# Altium PCB novena_evt1_a.PcbDoc (part 2 of 12) (continued)
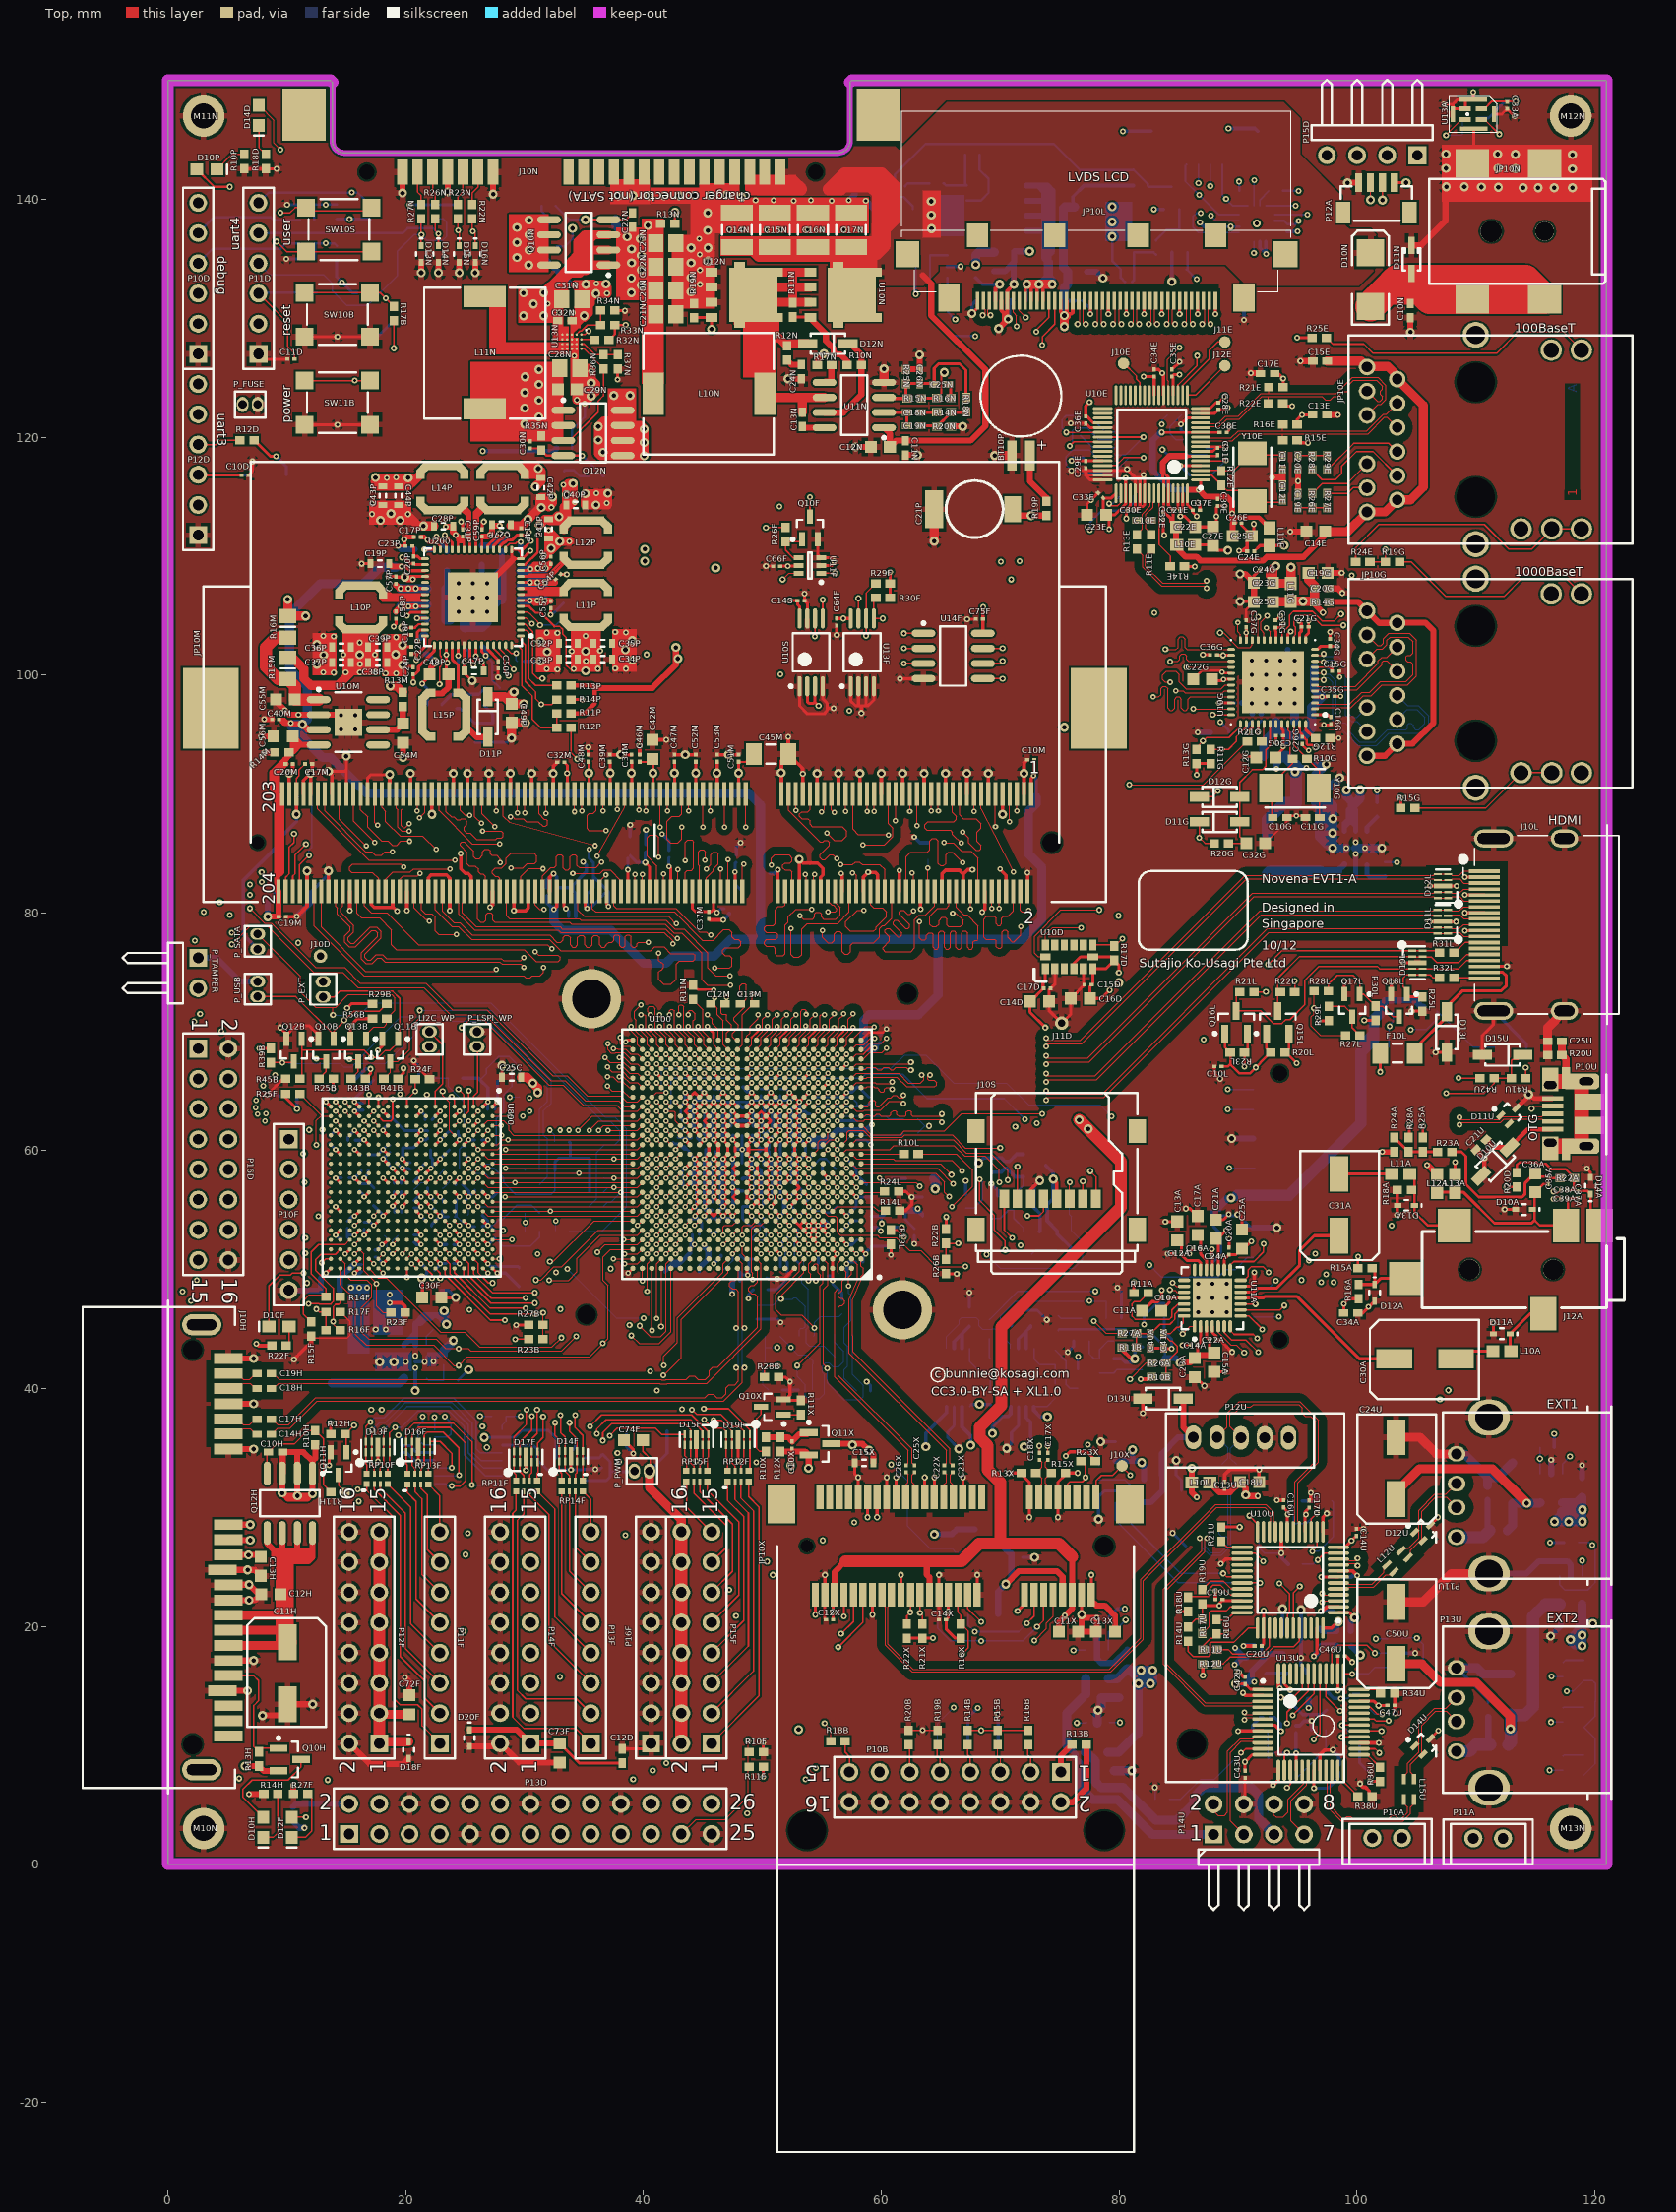
[diagram p0: Top view]
## Components (designator, comment, footprint, x,y, rotation, side; value= is the part's Value field where it differs from the comment) (continued)
R36N "100k, 1%" RESC1005N 36.625,126.325 r90 top
R36U "10k, 1%" RESC1005N 101.95,7.55 r270 top
R37B "4.7k, 1%" RESC1005N 36.05,55.35 r180 bottom
R37N "31.6k, 1%" RESC1005N 37.825,126.325 r90 top
R37U "680, 1%" RESC1005N 83.625,5.45 r0 bottom
R38B "4.7k, 1%" RESC1005N 33.15,53.2 r0 bottom
R38N "330, 1%" RESC1005N 36.025,116.7 r180 bottom
R38U "10k, 1%" RESC1005N 100.7,5.7 r0 top
R39B "10k, 1%" RESC1005N 8.65,68 r270 top
R39U "10k, 1%" RESC1005N 79.1,20.15 r270 bottom
R40B "4.7k, 1%" RESC1005N 30.65,57.15 r0 bottom
R40U "10k, 1%" RESC1005N 100.25,10.525 r90 bottom
R41B "10k, 1%" RESC1005N 18.75,66.05 r180 top
R41U "100, 1% (DNP)" RESC1005N 113.6,66.1 r0 top
R42B "4.7k, 1%" RESC1005N 27.6,59.775 r90 bottom
R42U "100k, 1%" RESC1005N 110.95,66.1 r180 top
R43B "10k, 1%" RESC1005N 16,66.05 r180 top
R44B "4.7k, 1%" RESC1005N 30.65,58.35 r0 bottom
R45B "10k, 1%" RESC1005N 10.5,66.05 r180 top
R46B "10k, 1%" RESC1005N 33.15,58.35 r180 bottom
R47B "10k, 1%" RESC1005N 30.65,54.75 r0 bottom
R48B "10k, 1%" RESC1005N 36.05,56.55 r180 bottom
R49B "10k, 1%" RESC1005N 22.45,56.8 r180 bottom
R50B "10k, 1%" RESC1005N 23.925,58.5 r0 bottom
R51B "10k, 1%" RESC1005N 36.05,59.35 r180 bottom
R52B "10k, 1%" RESC1005N 33.15,60.75 r0 bottom
R53B "10k, 1%" RESC1005N 25.825,54.575 r0 bottom
R54B "10k, 1%" RESC1005N 27.65,57.7 r0 bottom
R55B "10k, 1%" RESC1005N 36.05,57.75 r180 bottom
R56B "10k, 1%" RESC1005N 17.8,71.1 r180 top
R57B "100, 1%" RESC1005N 18.775,52.9 r180 bottom
RP10F "220/RP" PANASONIC_EXB28V 16.85,31.95 r0 top
RP11F "22/RP" PANASONIC_EXB28V 30.925,32.25 r180 top
RP12F "220/RP" PANASONIC_EXB28V 47.2,32.175 r0 top
RP13F "220/RP" PANASONIC_EXB28V 20.275,31.925 r0 top
RP14F "22/RP" PANASONIC_EXB28V 34.763,32.25 r180 top
RP15F "220/RP" PANASONIC_EXB28V 43.725,32.175 r0 top
SW10B "TS-1187A, Chi Fung" SWITCH_TS-1187A 11.5,128.45 r90 top
SW10S "TS-1187A, Chi Fung" SWITCH_TS-1187A 11.625,135.6 r90 top
SW11B "TS-1187A, Chi Fung (DNP)" SWITCH_TS-1187A 11.5,121.05 r90 top
U10A "NSIWAY NS4890" MSOP8 70.883,43.374 r270 bottom
U10D "MMA7455L" FREESCALE_LGA14_3mm_5mm 73.8,75.3 r0 top
U10E "AX88772B" TSQFP40P900X900-64N 82.75,119.404 r180 top
U10F "LMR10510YSD" SON95P300X300X80-7V 20.8,42.25 r90 bottom
U10G "KSZ9021RN" MICREL_QFN48_EP 92.95,99.4 r180 top
U10L "RT9706" SOT23-5AN 66.75,134.35 r0 bottom
U10M "RT9045GSP" SOIC127P600_HS-8N 15.175,96.025 r0 top
U10N "NTMFS4841NT1G" ONSEMI_DFN5_5x6_1.27P 56.825,131.975 r90 top
U10S "24LC32A-I/ST" TSOP65P640-8AN 54.1,101.9 r90 top
U10U "GL852GC-MNG" SQFP50P900X900-48N 94.4,23.9 r180 top
U10X "SIM socket MOLEX 47308-0001" MOLEX_SIM_47308-001 74.48,9.825 r180 bottom
U11A "Everest ES8328E" QFN50P500X500-28V1N 87.85,47.6 r90 top
U11D "STMPE610" QFN50P300X300-16V2N 91.6,137.95 r270 bottom
U11E "93C66 (DNP)" TSOP65P640-8AN 82.55,119.45 r0 bottom
U11F "74AUP1T97GW" SOT363-6N 54,109.2 r180 top
U11G "LMR10510YSD" SON95P300X300X80-7V 99.9,85.45 r90 bottom
U11N "NCP3020B" SOIC127P600-8AN 57.725,122.7 r180 top
U11U "RT9711BGB" SOT23-5AN 116.35,31.6 r270 bottom
U12A "NSIWAY NS4890" MSOP8 65.483,43.374 r270 bottom
U12F "ADC108S022" SOP65P640-16N 25.275,34.275 r180 bottom
U12N "NTMFS4935NT1G" ONSEMI_DFN5_5x6_1.27P 48.525,131.975 r90 top
U12U "RT9706" SOT23-5AN 80.9,31.375 r0 bottom
U13A "MP34DT01" STM_HCLGA_3MMx4MMx1MM 109.8,147.15 r90 top
U13F "24LC32A-I/ST" TSOP65P640-8AN 58.4,101.9 r90 top
U13N "FAN53540UCX" FAIRCHILD_WLCSP_BGA100P9X9-81A 33.975,128.025 r270 top
U13U "GL852GC-MNG" SQFP50P900X900-48N 96.15,11.95 r0 top
U14F "MX25L512CMI-12G" SOIC127P600-8AN 66.05,101.6 r0 top
U14U "RT9711BGB" SOT23-5AN 118,23.05 r270 bottom
U15F "LP2980IM5-3.3" SOT23-5AN 33.8,33.2 r180 bottom
U15U "RT9706" SOT23-5AN 78.15,16.8 r270 bottom
U16U "RT9706" SOT23-5AN 78.225,10.725 r270 bottom
U100 "iMX6Q - PCIMX6Q5EVT10AC" FREESCALE_BGA624C80P25X25_2100X2100X216 48.7,59.7 r180 top locked
U200 "PMPF0100NPEP" FREESCALE_QFN50P800X800X90-56N 25.65,106.525 r180 top
U800 "XC6SLX9-2CSG324C" CSG324 20.5,56.9 r270 top
Y10B "24.0000 MHz 15ppm 8pF 70 ohm ESR (NDK NX3225SA)" NDK_NX3225SA 54.875,46.05 r180 bottom
Y10E "25.0000 MHz, 30ppm, 20pF, ESR <70 ohm (CTS 445C33E25M00000)" NDK_NX5032A 91.2,118.625 r270 top
Y10G "25.0000 MHz, 30ppm, 20pF, ESR <70 ohm (CTS 445C33E25M00000)" NDK_NX5032A 96.8,90.475 r180 top
Y10U "12.0000 MHz (SaRonix-eCera F9, 30ppm, 8pF)" NDK_NX5032A 98,27.8 r180 bottom
Y11B "Abracon ABS10-32.768KHZ-7-T  7pF CL" ABS10-32.768KHZ 54.15,42 r180 bottom
Y11U "12.0000 MHz (SaRonix-eCera F9, 30ppm, 8pF)" NDK_NX5032A 92.5,8.8 r0 bottom

## Footprints (in the part's own frame and the unit in brackets; to place one, negate y for a bottom-side part, rotate by r counter-clockwise, add the part's x,y. Pads: shape width x height; smd on the part's side, far side on the other; paste and mask are expansions set on the pad)
ABS10-32.768KHZ [mm] "Abracon 32.768 kHz 4.9mm x 1.8mm x 1.0mm crystal"
  rect 1.3x2.2 smd mask+0.07: 1(0,0) 2(4.2,0)
  silkscreen extent 1,-1.2 3.2,1.3, body extent -0.6,-1.1 4.8,1.1, height 1
ALCAP_D [mm]
  rect 3x1.6 smd: 1(2.6,0) 2(-2.6,0)
  silkscreen extent -4.52,-3.25 4.65,3.38, body extent -3.3,-3.3 3.3,3.3, height 5.4
AMP_487951_4 [mm] "4-pin FF connector, 1mm pitch"
  rect 0.61x2 smd: 1(0,0) 2(1,0) 3(2,0) 4(3,0)
  rect 2.68x3.6 smd: MP1(-2.99,-2.8) MP2(5.99,-2.8)
  silkscreen extent -5.5,-8.7 8.5,1.8, body extent -4.46,-5.85 7.46,0.7, height 2.7
AUK_TFC08W01-HC-H [mm] "Micro-SD hinge-lock card (for captive board mount)"
  rect 1.45x2 smd mask+0.07: 0(-6.8,-5.7) 0(-6.8,2.6) 0(6.8,-5.7) 0(6.8,2.6)
  rect 0.8x1.5 smd mask+0.07: 1(-3.3,0) 2(-2.2,0) 3(-1.1,0) 4(0,0) 5(1.1,0) 6(2.2,0) 7(3.3,0) 8(4.4,0)
  silkscreen extent -6.8,-8.9 6.8,6.3, body extent -6.8,-8.9 6.8,5.3, height 1.9
AW_NU137 [mm] "AW NU137 USB wifi card, direct header"
  round 2 hole 2.3 unplated mask+1.3: 0(25.8,-0.09)
  oval 2x1.3 hole 0.9 mask+0.07: 1(0,0) 2(0,2) 3(0.05,4) 4(0.05,6) 5(0.05,8)
  silkscreen extent -2,-2.3 29,12.7, body extent -2,-2.3 29,12.7, height 8.8
CAPC0603N_B [mm] "Chip Capacitor, 2-Leads, Body 0.6x0.3mm, IPC Medium Density"
  rect 0.35x0.3 smd mask+0.07: 1(-0.3,0) 2(0.3,0)
  body extent -0.32,-0.17 0.32,0.17, height 0.33
CAPC1005N [mm] "Chip Capacitor, Body 1.0x0.5mm, IPC Medium Density"
  rect 0.8x0.6 smd: 1(-0.6,0) 2(0.6,0)
  body extent -0.55,-0.3 0.55,0.3, height 0.6
CAPC1608N [mm] "Chip Capacitor, Body 1.6x0.8mm, IPC Medium Density"
  rect 1x1 smd: 1(-0.8,0) 2(0.8,0)
  body extent -0.87,-0.48 0.87,0.48, height 0.85
CAPC1608N_HD [mm] "High density 0603 capacitor footprint (use sparingly)"
  rect 0.5x0.75 smd: 1(-0.8,0) 2(0.8,0)
  silkscreen extent -0.15,-0.28 0.15,0.28, body extent -0.85,-0.45 0.85,0.45, height 0.9
CAPC2012N [mm] "Chip Capacitor, Body 2.0x1.3mm, IPC Medium Density"
  rect 1.3x1.5 smd: 1(-0.85,0) 2(0.85,0)
  body extent -1.1,-0.72 1.1,0.72, height 1.1
CAPC3216N [mm] "Chip Capacitor, Body 3.2x1.6mm, IPC Medium Density"
  rect 1.3x1.8 smd: 1(-1.45,0) 2(1.45,0)
  silkscreen extent -0.4,-0.8 0.4,0.8, body extent -1.7,-0.9 1.7,0.9, height 1.35
CAPC3225N [mm] "Chip Capacitor, Body 3.2x2.5mm, IPC Medium Density"
  rect 1.3x2.7 smd: 1(-1.45,0) 2(1.45,0)
  silkscreen extent -0.4,-1.25 0.4,1.25, body extent -1.7,-1.35 1.7,1.35, height 1.35
CD1608-0603 [mm] "Chip Diode; Body 1.6 x 0.8 mm (LxW typ)"
  rect 1.1x1 smd: 1(-0.85,0) 2(0.85,0)
  silkscreen extent 1.7,-0.4 1.7,0.4
COILCRAFT_LPS4018 [mm] "Coilcraft SMT power inductor, shielded, high current"
  rect 0.7x3.124 smd mask+0.07: 1(-1.85,0) 2(1.85,0)
  rect 0.7x1 smd rot 135 mask+0.07: 1(-1.6,1.6) 2(1.6,-1.6)
  rect 0.7x1 smd rot 45 mask+0.07: 1(-1.6,-1.6) 2(1.6,1.6)
  rect 0.75x0.7 smd mask+0.07: 1(-1.125,1.85) 1(-1.125,-1.85) 2(1.125,1.85) 2(1.125,-1.85)
  body extent -2.05,-2.05 2.05,2.05, height 1.8
COILCRAFT_MSS1048 [mm] "Coilcraft shielded power inductor"
  rect 3.56x1.78 smd mask+0.075: 1(0,0) 2(0,9.4)
  silkscreen extent -5.1,-0.75 5.1,10.25, body extent -5.1,-0.37 5.1,9.93, height 5.05
COILCRAFT_MSS5121 [mm] "Coilcraft shielded power inductor"
  rect 5.08x1.74 smd mask+0.075: 1(0,0) 2(0,-3.34)
  silkscreen extent -2.6,-2.2 2.6,-1.2, body extent -2.6,-4.3 2.6,0.9, height 2.2
CSG324 [mm] "BGA, 324-Leads, Body 15x15mm, Pitch 0.8mm"
  round 0.36 smd: A1(-6.8,6.8) A2(-6,6.8) A3(-5.2,6.8) A4(-4.4,6.8) A5(-3.6,6.8) A6(-2.8,6.8) A7(-2,6.8) A8(-1.2,6.8) A9(-0.4,6.8) A10(0.4,6.8) A11(1.2,6.8) A12(2,6.8) A13(2.8,6.8) A14(3.6,6.8) A15(4.4,6.8) A16(5.2,6.8) A17(6,6.8) A18(6.8,6.8) B1(-6.8,6) B2(-6,6) B3(-5.2,6) B4(-4.4,6) B5(-3.6,6) B6(-2.8,6) B7(-2,6) B8(-1.2,6) B9(-0.4,6) B10(0.4,6) B11(1.2,6) B12(2,6) B13(2.8,6) B14(3.6,6) B15(4.4,6) B16(5.2,6) B17(6,6) B18(6.8,6) C1(-6.8,5.2) C2(-6,5.2) C3(-5.2,5.2) C4(-4.4,5.2) C5(-3.6,5.2) C6(-2.8,5.2) C7(-2,5.2) C8(-1.2,5.2) C9(-0.4,5.2) C10(0.4,5.2) C11(1.2,5.2) C12(2,5.2) C13(2.8,5.2) C14(3.6,5.2) C15(4.4,5.2) C16(5.2,5.2) C17(6,5.2) C18(6.8,5.2) D1(-6.8,4.4) D2(-6,4.4) D3(-5.2,4.4) D4(-4.4,4.4) D5(-3.6,4.4) D6(-2.8,4.4) D7(-2,4.4) D8(-1.2,4.4) D9(-0.4,4.4) D10(0.4,4.4) D11(1.2,4.4) D12(2,4.4) D13(2.8,4.4) D14(3.6,4.4) D15(4.4,4.4) D16(5.2,4.4) D17(6,4.4) D18(6.8,4.4) E1(-6.8,3.6) E2(-6,3.6) E3(-5.2,3.6) E4(-4.4,3.6) E5(-3.6,3.6) E6(-2.8,3.6) E7(-2,3.6) E8(-1.2,3.6) E9(-0.4,3.6) E10(0.4,3.6) E11(1.2,3.6) E12(2,3.6) E13(2.8,3.6) E14(3.6,3.6) E15(4.4,3.6) E16(5.2,3.6) E17(6,3.6) E18(6.8,3.6) F1(-6.8,2.8) F2(-6,2.8) F3(-5.2,2.8) F4(-4.4,2.8) F5(-3.6,2.8) F6(-2.8,2.8) F7(-2,2.8) F8(-1.2,2.8) F9(-0.4,2.8) F10(0.4,2.8) F11(1.2,2.8) F12(2,2.8) F13(2.8,2.8) F14(3.6,2.8) F15(4.4,2.8) F16(5.2,2.8) F17(6,2.8) F18(6.8,2.8) G1(-6.8,2) G2(-6,2) G3(-5.2,2) G4(-4.4,2) G5(-3.6,2) G6(-2.8,2) G7(-2,2) G8(-1.2,2) G9(-0.4,2) G10(0.4,2) G11(1.2,2) G12(2,2) G13(2.8,2) G14(3.6,2) G15(4.4,2) G16(5.2,2) G17(6,2) G18(6.8,2) H1(-6.8,1.2) H2(-6,1.2) H3(-5.2,1.2) H4(-4.4,1.2) H5(-3.6,1.2) H6(-2.8,1.2) H7(-2,1.2) H8(-1.2,1.2) H9(-0.4,1.2) H10(0.4,1.2) H11(1.2,1.2) H12(2,1.2) H13(2.8,1.2) H14(3.6,1.2) H15(4.4,1.2) H16(5.2,1.2) H17(6,1.2) H18(6.8,1.2) J1(-6.8,0.4) J2(-6,0.4) J3(-5.2,0.4) J4(-4.4,0.4) J5(-3.6,0.4) J6(-2.8,0.4) J7(-2,0.4) J8(-1.2,0.4) J9(-0.4,0.4) J10(0.4,0.4) J11(1.2,0.4) J12(2,0.4) J13(2.8,0.4) J14(3.6,0.4) J15(4.4,0.4) J16(5.2,0.4) J17(6,0.4) J18(6.8,0.4) K1(-6.8,-0.4) K2(-6,-0.4) K3(-5.2,-0.4) K4(-4.4,-0.4) K5(-3.6,-0.4) K6(-2.8,-0.4) K7(-2,-0.4) K8(-1.2,-0.4) K9(-0.4,-0.4) K10(0.4,-0.4) K11(1.2,-0.4) K12(2,-0.4) K13(2.8,-0.4) K14(3.6,-0.4) K15(4.4,-0.4) K16(5.2,-0.4) K17(6,-0.4) K18(6.8,-0.4) L1(-6.8,-1.2) L2(-6,-1.2) L3(-5.2,-1.2) L4(-4.4,-1.2) L5(-3.6,-1.2) L6(-2.8,-1.2) L7(-2,-1.2) L8(-1.2,-1.2) L9(-0.4,-1.2) L10(0.4,-1.2) L11(1.2,-1.2) L12(2,-1.2) L13(2.8,-1.2) L14(3.6,-1.2) L15(4.4,-1.2) L16(5.2,-1.2) L17(6,-1.2) L18(6.8,-1.2) M1(-6.8,-2) M2(-6,-2) M3(-5.2,-2) M4(-4.4,-2) M5(-3.6,-2) M6(-2.8,-2) M7(-2,-2) M8(-1.2,-2) M9(-0.4,-2) M10(0.4,-2) M11(1.2,-2) M12(2,-2) M13(2.8,-2) M14(3.6,-2) M15(4.4,-2) M16(5.2,-2) M17(6,-2) M18(6.8,-2) N1(-6.8,-2.8) N2(-6,-2.8) N3(-5.2,-2.8) N4(-4.4,-2.8) N5(-3.6,-2.8) N6(-2.8,-2.8) N7(-2,-2.8) N8(-1.2,-2.8) N9(-0.4,-2.8) N10(0.4,-2.8) N11(1.2,-2.8) N12(2,-2.8) N13(2.8,-2.8) N14(3.6,-2.8) N15(4.4,-2.8) N16(5.2,-2.8) N17(6,-2.8) N18(6.8,-2.8) P1(-6.8,-3.6) P2(-6,-3.6) P3(-5.2,-3.6) P4(-4.4,-3.6) P5(-3.6,-3.6) P6(-2.8,-3.6) P7(-2,-3.6) P8(-1.2,-3.6) P9(-0.4,-3.6) P10(0.4,-3.6) P11(1.2,-3.6) P12(2,-3.6) P13(2.8,-3.6) P14(3.6,-3.6) P15(4.4,-3.6) P16(5.2,-3.6) P17(6,-3.6) P18(6.8,-3.6) R1(-6.8,-4.4) R2(-6,-4.4) R3(-5.2,-4.4) R4(-4.4,-4.4) R5(-3.6,-4.4) R6(-2.8,-4.4) R7(-2,-4.4) R8(-1.2,-4.4) R9(-0.4,-4.4) R10(0.4,-4.4) R11(1.2,-4.4) R12(2,-4.4) R13(2.8,-4.4) R14(3.6,-4.4) R15(4.4,-4.4) R16(5.2,-4.4) R17(6,-4.4) R18(6.8,-4.4) T1(-6.8,-5.2) T2(-6,-5.2) T3(-5.2,-5.2) T4(-4.4,-5.2) T5(-3.6,-5.2) T6(-2.8,-5.2) T7(-2,-5.2) T8(-1.2,-5.2) T9(-0.4,-5.2) T10(0.4,-5.2) T11(1.2,-5.2) T12(2,-5.2) T13(2.8,-5.2) T14(3.6,-5.2) T15(4.4,-5.2) T16(5.2,-5.2) T17(6,-5.2) T18(6.8,-5.2) U1(-6.8,-6) U2(-6,-6) U3(-5.2,-6) U4(-4.4,-6) U5(-3.6,-6) U6(-2.8,-6) U7(-2,-6) U8(-1.2,-6) U9(-0.4,-6) U10(0.4,-6) U11(1.2,-6) U12(2,-6) U13(2.8,-6) U14(3.6,-6) U15(4.4,-6) U16(5.2,-6) U17(6,-6) U18(6.8,-6) V1(-6.8,-6.8) V2(-6,-6.8) V3(-5.2,-6.8) V4(-4.4,-6.8) V5(-3.6,-6.8) V6(-2.8,-6.8) V7(-2,-6.8) V8(-1.2,-6.8) V9(-0.4,-6.8) V10(0.4,-6.8) V11(1.2,-6.8) V12(2,-6.8) V13(2.8,-6.8) V14(3.6,-6.8) V15(4.4,-6.8) V16(5.2,-6.8) V17(6,-6.8) V18(6.8,-6.8)
  silkscreen extent -8.27,-7.5 7.5,7.5, body extent -7.5,-7.5 7.5,7.5, height 1.5
CUI_PJ_002AH_SMT [mm] "SMT 2.1mmx5.5mm ID (P-5) connector"
  round 1.6 hole 1.6 unplated: 0(-4.5,0)
  round 1.8 hole 1.8 unplated: 0(0,0)
  rect 2.8x2.4 smd: 1(-4.5,5.7) 1(1.6,5.7) 2(-4.5,-5.7) 3(1.6,-5.7)
  silkscreen extent -9.6,-4.4 5.2,4.4, body extent -9.5,-6.3 5.3,6.3, height 11.19
CUI_SJ_43515TS-SMT [mm] "stereo audio jack plus video, SMT with switch"
  round 1.7 hole 1.7 unplated: 0(-7,0) 0(0,0)
  rect 2.8x2.8 smd: 1(-8.3,3.7) 2(-12.4,-0.75)
  rect 2.2x2.8 smd: 3(-0.8,-3.7) 4(3.9,3.7) 5(1.1,3.7)
  silkscreen extent -11,-3.2 6,3.2, body extent -13,-4.5 6.2,4.5, height 5.1
DDR3_SODIMM_REV [mm] "TE_2013311_9.2MM_DDR3_SODIMM"
  round 1 hole 1.1 unplated mask+0.07: 0(0,0)
  round 1.5 hole 1.6 unplated: 0(0,-66.8)
  rect 6.8x4.7 smd mask+0.07: 0(11.3,-70.75) 0(11.3,3.95)
  rect 2x0.35 smd mask+0.07: 1(4.1,-65.05) 2(-4.1,-64.75) 3(4.1,-64.45) 4(-4.1,-64.15) 5(4.1,-63.85) 6(-4.1,-63.55) 7(4.1,-63.25) 8(-4.1,-62.95) 9(4.1,-62.65) 10(-4.1,-62.35) 11(4.1,-62.05) 12(-4.1,-61.75) 13(4.1,-61.45) 14(-4.1,-61.15) 15(4.1,-60.85) 16(-4.1,-60.55) 17(4.1,-60.25) 18(-4.1,-59.95) 19(4.1,-59.65) 20(-4.1,-59.35) 21(4.1,-59.05) 22(-4.1,-58.75) 23(4.1,-58.45) 24(-4.1,-58.15) 25(4.1,-57.85) 26(-4.1,-57.55) 27(4.1,-57.25) 28(-4.1,-56.95) 29(4.1,-56.65) 30(-4.1,-56.35) 31(4.1,-56.05) 32(-4.1,-55.75) 33(4.1,-55.45) 34(-4.1,-55.15) 35(4.1,-54.85) 36(-4.1,-54.55) 37(4.1,-54.25) 38(-4.1,-53.95) 39(4.1,-53.65) 40(-4.1,-53.35) 41(4.1,-53.05) 42(-4.1,-52.75) 43(4.1,-52.45) 44(-4.1,-52.15) 45(4.1,-51.85) 46(-4.1,-51.55) 47(4.1,-51.25) 48(-4.1,-50.95) 49(4.1,-50.65) 50(-4.1,-50.35) 51(4.1,-50.05) 52(-4.1,-49.75) 53(4.1,-49.45) 54(-4.1,-49.15) 55(4.1,-48.85) 56(-4.1,-48.55) 57(4.1,-48.25) 58(-4.1,-47.95) 59(4.1,-47.65) 60(-4.1,-47.35) 61(4.1,-47.05) 62(-4.1,-46.75) 63(4.1,-46.45) 64(-4.1,-46.15) 65(4.1,-45.85) 66(-4.1,-45.55) 67(4.1,-45.25) 68(-4.1,-44.95) 69(4.1,-44.65) 70(-4.1,-44.35) 71(4.1,-44.05) 72(-4.1,-43.75) 73(4.1,-41.05) 74(-4.1,-40.75) 75(4.1,-40.45) 76(-4.1,-40.15) 77(4.1,-39.85) 78(-4.1,-39.55) 79(4.1,-39.25) 80(-4.1,-38.95) 81(4.1,-38.65) 82(-4.1,-38.35) 83(4.1,-38.05) 84(-4.1,-37.75) 85(4.1,-37.45) 86(-4.1,-37.15) 87(4.1,-36.85) 88(-4.1,-36.55) 89(4.1,-36.25) 90(-4.1,-35.95) 91(4.1,-35.65) 92(-4.1,-35.35) 93(4.1,-35.05) 94(-4.1,-34.75) 95(4.1,-34.45) 96(-4.1,-34.15) 97(4.1,-33.85) 98(-4.1,-33.55) 99(4.1,-33.25) 100(-4.1,-32.95) 101(4.1,-32.65) 102(-4.1,-32.35) 103(4.1,-32.05) 104(-4.1,-31.75) 105(4.1,-31.45) 106(-4.1,-31.15) 107(4.1,-30.85) 108(-4.1,-30.55) 109(4.1,-30.25) 110(-4.1,-29.95) 111(4.1,-29.65) 112(-4.1,-29.35) 113(4.1,-29.05) 114(-4.1,-28.75) 115(4.1,-28.45) 116(-4.1,-28.15) 117(4.1,-27.85) 118(-4.1,-27.55) 119(4.1,-27.25) 120(-4.1,-26.95) 121(4.1,-26.65) 122(-4.1,-26.35) 123(4.1,-26.05) 124(-4.1,-25.75) 125(4.1,-25.45) 126(-4.1,-25.15) 127(4.1,-24.85) 128(-4.1,-24.55) 129(4.1,-24.25) 130(-4.1,-23.95) 131(4.1,-23.65) 132(-4.1,-23.35) 133(4.1,-23.05) 134(-4.1,-22.75) 135(4.1,-22.45) 136(-4.1,-22.15) 137(4.1,-21.85) 138(-4.1,-21.55) 139(4.1,-21.25) 140(-4.1,-20.95) 141(4.1,-20.65) 142(-4.1,-20.35) 143(4.1,-20.05) 144(-4.1,-19.75) 145(4.1,-19.45) 146(-4.1,-19.15) 147(4.1,-18.85) 148(-4.1,-18.55) 149(4.1,-18.25) 150(-4.1,-17.95) 151(4.1,-17.65) 152(-4.1,-17.35) 153(4.1,-17.05) 154(-4.1,-16.75) 155(4.1,-16.45) 156(-4.1,-16.15) 157(4.1,-15.85) 158(-4.1,-15.55) 159(4.1,-15.25) 160(-4.1,-14.95) 161(4.1,-14.65) 162(-4.1,-14.35) 163(4.1,-14.05) 164(-4.1,-13.75) 165(4.1,-13.45) 166(-4.1,-13.15) 167(4.1,-12.85) 168(-4.1,-12.55) 169(4.1,-12.25) 170(-4.1,-11.95) 171(4.1,-11.65) 172(-4.1,-11.35) 173(4.1,-11.05) 174(-4.1,-10.75) 175(4.1,-10.45) 176(-4.1,-10.15) 177(4.1,-9.85) 178(-4.1,-9.55) 179(4.1,-9.25) 180(-4.1,-8.95) 181(4.1,-8.65) 182(-4.1,-8.35) 183(4.1,-8.05) 184(-4.1,-7.75) 185(4.1,-7.45) 186(-4.1,-7.15) 187(4.1,-6.85) 188(-4.1,-6.55) 189(4.1,-6.25) 190(-4.1,-5.95) 191(4.1,-5.65) 192(-4.1,-5.35) 193(4.1,-5.05) 194(-4.1,-4.75) 195(4.1,-4.45) 196(-4.1,-4.15) 197(4.1,-3.85) 198(-4.1,-3.55) 199(4.1,-3.25) 200(-4.1,-2.95) 201(4.1,-2.65) 202(-4.1,-2.35) 203(4.1,-2.05) 204(-4.1,-1.75)
  silkscreen extent -5,-71.35 32,4.55, body extent -5,-71.35 21.56,4.55, height 9.45
DSO-C2/X2.3 [mm] "DO-214-AA/SMB; 2 C-Bend Leads; Body 5.3 x 3.6 mm, inc. leads (LxW)"
  rect 2.3x2.3 smd: 1(-2.25,0) 2(2.25,0)
  silkscreen extent -3.8,-1.55 4.1,1.55
FAIRCHILD_WLCSP_BGA100P9X9-81A [mm] "20-pin WLCSP 0.4mm pitch 0.25mm ball package"
  round 0.2 smd mask+0.05: A1(-0.6,0.8) A2(-0.2,0.8) A3(0.2,0.8) A4(0.6,0.8) B1(-0.6,0.4) B2(-0.2,0.4) B3(0.2,0.4) B4(0.6,0.4) C1(-0.6,0) C2(-0.2,0) C3(0.2,0) C4(0.6,0) D1(-0.6,-0.4) D2(-0.2,-0.4) D3(0.2,-0.4) D4(0.6,-0.4) E1(-0.6,-0.8) E2(-0.2,-0.8) E3(0.2,-0.8) E4(0.6,-0.8)
  silkscreen extent -1.04,1.14 -0.94,1.24, body extent -0.77,-0.97 0.78,0.98, height 0.63
FREESCALE_BGA624C80P25X25_2100X2100X216 [mm] "BGA, 624-Leads, Body 21.0x21.0mm,  Pitch 0.80mm"
  round 0.45 smd mask+0.07: A2(-8.8,9.6) A3(-8,9.6) A4(-7.2,9.6) A5(-6.4,9.6) A6(-5.6,9.6) A7(-4.8,9.6) A8(-4,9.6) A9(-3.2,9.6) A10(-2.4,9.6) A11(-1.6,9.6) A12(-0.8,9.6) A13(0,9.6) A14(0.8,9.6) A15(1.6,9.6) A16(2.4,9.6) A17(3.2,9.6) A18(4,9.6) A19(4.8,9.6) A20(5.6,9.6) A21(6.4,9.6) A22(7.2,9.6) A23(8,9.6) A24(8.8,9.6) A25(9.6,9.6) AA1(-9.6,-6.4) AA2(-8.8,-6.4) AA3(-8,-6.4) AA4(-7.2,-6.4) AA5(-6.4,-6.4) AA6(-5.6,-6.4) AA7(-4.8,-6.4) AA8(-4,-6.4) AA9(-3.2,-6.4) AA10(-2.4,-6.4) AA11(-1.6,-6.4) AA12(-0.8,-6.4) AA13(0,-6.4) AA14(0.8,-6.4) AA15(1.6,-6.4) AA16(2.4,-6.4) AA17(3.2,-6.4) AA18(4,-6.4) AA19(4.8,-6.4) AA20(5.6,-6.4) AA21(6.4,-6.4) AA22(7.2,-6.4) AA23(8,-6.4) AA24(8.8,-6.4) AA25(9.6,-6.4) AB1(-9.6,-7.2) AB2(-8.8,-7.2) AB3(-8,-7.2) AB4(-7.2,-7.2) AB5(-6.4,-7.2) AB6(-5.6,-7.2) AB7(-4.8,-7.2) AB8(-4,-7.2) AB9(-3.2,-7.2) AB10(-2.4,-7.2) AB11(-1.6,-7.2) AB12(-0.8,-7.2) AB13(0,-7.2) AB14(0.8,-7.2) AB15(1.6,-7.2) AB16(2.4,-7.2) AB17(3.2,-7.2) AB18(4,-7.2) AB19(4.8,-7.2) AB20(5.6,-7.2) AB21(6.4,-7.2) AB22(7.2,-7.2) AB23(8,-7.2) AB24(8.8,-7.2) AB25(9.6,-7.2) AC1(-9.6,-8) AC2(-8.8,-8) AC3(-8,-8) AC4(-7.2,-8) AC5(-6.4,-8) AC6(-5.6,-8) AC7(-4.8,-8) AC8(-4,-8) AC9(-3.2,-8) AC10(-2.4,-8) AC11(-1.6,-8) AC12(-0.8,-8) AC13(0,-8) AC14(0.8,-8) AC15(1.6,-8) AC16(2.4,-8) AC17(3.2,-8) AC18(4,-8) AC19(4.8,-8) AC20(5.6,-8) AC21(6.4,-8) AC22(7.2,-8) AC23(8,-8) AC24(8.8,-8) AC25(9.6,-8) AD1(-9.6,-8.8) AD2(-8.8,-8.8) AD3(-8,-8.8) AD4(-7.2,-8.8) AD5(-6.4,-8.8) AD6(-5.6,-8.8) AD7(-4.8,-8.8) AD8(-4,-8.8) AD9(-3.2,-8.8) AD10(-2.4,-8.8) AD11(-1.6,-8.8) AD12(-0.8,-8.8) AD13(0,-8.8) AD14(0.8,-8.8) AD15(1.6,-8.8) AD16(2.4,-8.8) AD17(3.2,-8.8) AD18(4,-8.8) AD19(4.8,-8.8) AD20(5.6,-8.8) AD21(6.4,-8.8) AD22(7.2,-8.8) AD23(8,-8.8) AD24(8.8,-8.8) AD25(9.6,-8.8) AE1(-9.6,-9.6) AE2(-8.8,-9.6) AE3(-8,-9.6) AE4(-7.2,-9.6) AE5(-6.4,-9.6) AE6(-5.6,-9.6) AE7(-4.8,-9.6) AE8(-4,-9.6) AE9(-3.2,-9.6) AE10(-2.4,-9.6) AE11(-1.6,-9.6) AE12(-0.8,-9.6) AE13(0,-9.6) AE14(0.8,-9.6) AE15(1.6,-9.6) AE16(2.4,-9.6) AE17(3.2,-9.6) AE18(4,-9.6) AE19(4.8,-9.6) AE20(5.6,-9.6) AE21(6.4,-9.6) AE22(7.2,-9.6) AE23(8,-9.6) AE24(8.8,-9.6) AE25(9.6,-9.6) B1(-9.6,8.8) B2(-8.8,8.8) B3(-8,8.8) B4(-7.2,8.8) B5(-6.4,8.8) B6(-5.6,8.8) B7(-4.8,8.8) B8(-4,8.8) B9(-3.2,8.8) B10(-2.4,8.8) B11(-1.6,8.8) B12(-0.8,8.8) B13(0,8.8) B14(0.8,8.8) B15(1.6,8.8) B16(2.4,8.8) B17(3.2,8.8) B18(4,8.8) B19(4.8,8.8) B20(5.6,8.8) B21(6.4,8.8) B22(7.2,8.8) B23(8,8.8) B24(8.8,8.8) B25(9.6,8.8) C1(-9.6,8) C2(-8.8,8) C3(-8,8) C4(-7.2,8) C5(-6.4,8) C6(-5.6,8) C7(-4.8,8) C8(-4,8) C9(-3.2,8) C10(-2.4,8) C11(-1.6,8) C12(-0.8,8) C13(0,8) C14(0.8,8) C15(1.6,8) C16(2.4,8) C17(3.2,8) C18(4,8) C19(4.8,8) C20(5.6,8) C21(6.4,8) C22(7.2,8) C23(8,8) C24(8.8,8) C25(9.6,8) D1(-9.6,7.2) D2(-8.8,7.2) D3(-8,7.2) D4(-7.2,7.2) D5(-6.4,7.2) D6(-5.6,7.2) D7(-4.8,7.2) D8(-4,7.2) D9(-3.2,7.2) D10(-2.4,7.2) D11(-1.6,7.2) D12(-0.8,7.2) D13(0,7.2) D14(0.8,7.2) D15(1.6,7.2) D16(2.4,7.2) D17(3.2,7.2) D18(4,7.2) D19(4.8,7.2) D20(5.6,7.2) D21(6.4,7.2) D22(7.2,7.2) D23(8,7.2) D24(8.8,7.2) D25(9.6,7.2) E1(-9.6,6.4) E2(-8.8,6.4) E3(-8,6.4) E4(-7.2,6.4) E5(-6.4,6.4) E6(-5.6,6.4) E7(-4.8,6.4) E8(-4,6.4) E9(-3.2,6.4) E10(-2.4,6.4) E11(-1.6,6.4) E12(-0.8,6.4) E13(0,6.4) E14(0.8,6.4) E15(1.6,6.4) E16(2.4,6.4) E17(3.2,6.4) E18(4,6.4) E19(4.8,6.4) E20(5.6,6.4) E21(6.4,6.4) E22(7.2,6.4) E23(8,6.4) E24(8.8,6.4) E25(9.6,6.4) F1(-9.6,5.6) F2(-8.8,5.6) F3(-8,5.6) F4(-7.2,5.6) F5(-6.4,5.6) F6(-5.6,5.6) F7(-4.8,5.6) F8(-4,5.6) F9(-3.2,5.6) F10(-2.4,5.6) F11(-1.6,5.6) F12(-0.8,5.6) F13(0,5.6) F14(0.8,5.6) F15(1.6,5.6) F16(2.4,5.6) F17(3.2,5.6) F18(4,5.6) F19(4.8,5.6) F20(5.6,5.6) F21(6.4,5.6) F22(7.2,5.6) F23(8,5.6) F24(8.8,5.6) F25(9.6,5.6) G1(-9.6,4.8) G2(-8.8,4.8) G3(-8,4.8) G4(-7.2,4.8) G5(-6.4,4.8) G6(-5.6,4.8) G7(-4.8,4.8) G8(-4,4.8) G9(-3.2,4.8) G10(-2.4,4.8) G11(-1.6,4.8) G12(-0.8,4.8) G13(0,4.8) G14(0.8,4.8) G15(1.6,4.8) G16(2.4,4.8) G17(3.2,4.8) G18(4,4.8) G19(4.8,4.8) G20(5.6,4.8) G21(6.4,4.8) G22(7.2,4.8) G23(8,4.8) G24(8.8,4.8) G25(9.6,4.8) H1(-9.6,4) H2(-8.8,4) H3(-8,4) H4(-7.2,4) H5(-6.4,4) H6(-5.6,4) H7(-4.8,4) H8(-4,4) H9(-3.2,4) H10(-2.4,4) H11(-1.6,4) H12(-0.8,4) H13(0,4) H14(0.8,4) H15(1.6,4) H16(2.4,4) H17(3.2,4) H18(4,4) H19(4.8,4) H20(5.6,4) H21(6.4,4) H22(7.2,4) H23(8,4) H24(8.8,4) H25(9.6,4) J1(-9.6,3.2) J2(-8.8,3.2) J3(-8,3.2) J4(-7.2,3.2) J5(-6.4,3.2) J6(-5.6,3.2) J7(-4.8,3.2) J8(-4,3.2) J9(-3.2,3.2) J10(-2.4,3.2) J11(-1.6,3.2) J12(-0.8,3.2) J13(0,3.2) J14(0.8,3.2) J15(1.6,3.2) J16(2.4,3.2) J17(3.2,3.2) J18(4,3.2) J19(4.8,3.2) J20(5.6,3.2) J21(6.4,3.2) J22(7.2,3.2) J23(8,3.2) J24(8.8,3.2) J25(9.6,3.2) K1(-9.6,2.4) K2(-8.8,2.4) K3(-8,2.4) K4(-7.2,2.4) K5(-6.4,2.4) K6(-5.6,2.4) K7(-4.8,2.4) K8(-4,2.4) K9(-3.2,2.4) K10(-2.4,2.4) K11(-1.6,2.4) K12(-0.8,2.4) K13(0,2.4) K14(0.8,2.4) K15(1.6,2.4) K16(2.4,2.4) K17(3.2,2.4) K18(4,2.4) K19(4.8,2.4) K20(5.6,2.4) K21(6.4,2.4) K22(7.2,2.4) K23(8,2.4) K24(8.8,2.4) K25(9.6,2.4) L1(-9.6,1.6) L2(-8.8,1.6) L3(-8,1.6) L4(-7.2,1.6) L5(-6.4,1.6) L6(-5.6,1.6) L7(-4.8,1.6) L8(-4,1.6) L9(-3.2,1.6) L10(-2.4,1.6) L11(-1.6,1.6) L12(-0.8,1.6) L13(0,1.6) L14(0.8,1.6) L15(1.6,1.6) L16(2.4,1.6) L17(3.2,1.6) L18(4,1.6) L19(4.8,1.6) L20(5.6,1.6) L21(6.4,1.6) L22(7.2,1.6) L23(8,1.6) L24(8.8,1.6) L25(9.6,1.6) M1(-9.6,0.8) M2(-8.8,0.8) M3(-8,0.8) M4(-7.2,0.8) M5(-6.4,0.8) M6(-5.6,0.8) M7(-4.8,0.8) M8(-4,0.8) M9(-3.2,0.8) M10(-2.4,0.8) M11(-1.6,0.8) M12(-0.8,0.8) M13(0,0.8) M14(0.8,0.8) M15(1.6,0.8) M16(2.4,0.8) M17(3.2,0.8) M18(4,0.8) M19(4.8,0.8) M20(5.6,0.8) M21(6.4,0.8) M22(7.2,0.8) M23(8,0.8) M24(8.8,0.8) M25(9.6,0.8) N1(-9.6,0) N2(-8.8,0) N3(-8,0) N4(-7.2,0) N5(-6.4,0) N6(-5.6,0) N7(-4.8,0) N8(-4,0) N9(-3.2,0) N10(-2.4,0) N11(-1.6,0) N12(-0.8,0) N13(0,0) N14(0.8,0) N15(1.6,0) N16(2.4,0) N17(3.2,0) N18(4,0) N19(4.8,0) N20(5.6,0) N21(6.4,0) N22(7.2,0) N23(8,0) N24(8.8,0) N25(9.6,0) P1(-9.6,-0.8) P2(-8.8,-0.8) P3(-8,-0.8) P4(-7.2,-0.8) P5(-6.4,-0.8) P6(-5.6,-0.8) P7(-4.8,-0.8) P8(-4,-0.8) P9(-3.2,-0.8) P10(-2.4,-0.8) P11(-1.6,-0.8) P12(-0.8,-0.8) P13(0,-0.8) P14(0.8,-0.8) P15(1.6,-0.8) P16(2.4,-0.8) P17(3.2,-0.8) P18(4,-0.8) P19(4.8,-0.8) P20(5.6,-0.8) P21(6.4,-0.8) P22(7.2,-0.8) P23(8,-0.8) P24(8.8,-0.8) P25(9.6,-0.8) R1(-9.6,-1.6) R2(-8.8,-1.6) R3(-8,-1.6) R4(-7.2,-1.6) R5(-6.4,-1.6) R6(-5.6,-1.6) R7(-4.8,-1.6) R8(-4,-1.6) R9(-3.2,-1.6) R10(-2.4,-1.6) R11(-1.6,-1.6) R12(-0.8,-1.6) R13(0,-1.6) R14(0.8,-1.6) R15(1.6,-1.6) R16(2.4,-1.6) R17(3.2,-1.6) R18(4,-1.6) R19(4.8,-1.6) R20(5.6,-1.6) R21(6.4,-1.6) R22(7.2,-1.6) R23(8,-1.6) R24(8.8,-1.6) R25(9.6,-1.6) T1(-9.6,-2.4) T2(-8.8,-2.4) T3(-8,-2.4) T4(-7.2,-2.4) T5(-6.4,-2.4) T6(-5.6,-2.4) T7(-4.8,-2.4) T8(-4,-2.4) T9(-3.2,-2.4) T10(-2.4,-2.4) T11(-1.6,-2.4) T12(-0.8,-2.4) T13(0,-2.4) T14(0.8,-2.4) T15(1.6,-2.4) T16(2.4,-2.4) T17(3.2,-2.4) T18(4,-2.4) T19(4.8,-2.4) T20(5.6,-2.4) T21(6.4,-2.4) T22(7.2,-2.4) T23(8,-2.4) T24(8.8,-2.4) T25(9.6,-2.4) U1(-9.6,-3.2) U2(-8.8,-3.2) U3(-8,-3.2) U4(-7.2,-3.2) U5(-6.4,-3.2) U6(-5.6,-3.2) U7(-4.8,-3.2) U8(-4,-3.2) U9(-3.2,-3.2) U10(-2.4,-3.2) U11(-1.6,-3.2) U12(-0.8,-3.2) U13(0,-3.2) U14(0.8,-3.2) U15(1.6,-3.2) U16(2.4,-3.2) U17(3.2,-3.2) U18(4,-3.2) U19(4.8,-3.2) U20(5.6,-3.2) U21(6.4,-3.2) U22(7.2,-3.2) U23(8,-3.2) U24(8.8,-3.2) U25(9.6,-3.2) V1(-9.6,-4) V2(-8.8,-4) V3(-8,-4) V4(-7.2,-4) V5(-6.4,-4) V6(-5.6,-4) V7(-4.8,-4) V8(-4,-4) V9(-3.2,-4) V10(-2.4,-4) V11(-1.6,-4) V12(-0.8,-4) V13(0,-4) V14(0.8,-4) V15(1.6,-4) V16(2.4,-4) V17(3.2,-4) V18(4,-4) V19(4.8,-4) V20(5.6,-4) V21(6.4,-4) V22(7.2,-4) V23(8,-4) V24(8.8,-4) V25(9.6,-4) W1(-9.6,-4.8) W2(-8.8,-4.8) W3(-8,-4.8) W4(-7.2,-4.8) W5(-6.4,-4.8) W6(-5.6,-4.8) W7(-4.8,-4.8) W8(-4,-4.8) W9(-3.2,-4.8) W10(-2.4,-4.8) W11(-1.6,-4.8) W12(-0.8,-4.8) W13(0,-4.8) W14(0.8,-4.8) W15(1.6,-4.8) W16(2.4,-4.8) W17(3.2,-4.8) W18(4,-4.8) W19(4.8,-4.8) W20(5.6,-4.8) W21(6.4,-4.8) W22(7.2,-4.8) W23(8,-4.8) W24(8.8,-4.8) W25(9.6,-4.8) Y1(-9.6,-5.6) Y2(-8.8,-5.6) Y3(-8,-5.6) Y4(-7.2,-5.6) Y5(-6.4,-5.6) Y6(-5.6,-5.6) Y7(-4.8,-5.6) Y8(-4,-5.6) Y9(-3.2,-5.6) Y10(-2.4,-5.6) Y11(-1.6,-5.6) Y12(-0.8,-5.6) Y13(0,-5.6) Y14(0.8,-5.6) Y15(1.6,-5.6) Y16(2.4,-5.6) Y17(3.2,-5.6) Y18(4,-5.6) Y19(4.8,-5.6) Y20(5.6,-5.6) Y21(6.4,-5.6) Y22(7.2,-5.6) Y23(8,-5.6) Y24(8.8,-5.6) Y25(9.6,-5.6)
  silkscreen extent -11.28,-10.5 10.5,10.5, body extent -10.5,-10.5 10.5,10.5, height 2.16
FREESCALE_LGA14_3mm_5mm [mm] "Freescale 14-pin LGA, 3x5mm body, 1mm thick"
  rect 0.6x0.9 smd paste-0.012 mask+0.05: 1(0,0) 2(0.8,0) 3(1.6,0) 4(2.4,0) 5(3.2,0) 6(4,0) 8(4,2) 9(3.2,2) 10(2.4,2) 11(1.6,2) 12(0.8,2) 13(0,2)
  rect 0.9x0.6 smd paste-0.012 mask+0.05: 7(4,1) 14(0,1)
  silkscreen extent -1,-1.1 0.1,0, body extent -0.5,-0.5 4.5,2.5, height 1
FREESCALE_QFN50P800X800X90-56N [mm] "QFN, 56-Leads, Body 8.1x8.1mm (max), Pitch 0.50mm, IPC Medium Density, 4mm exposed pad"
  oval 0.65x0.25 smd mask+0.07: 1(-4.025,3.25) 2(-4.025,2.75) 3(-4.025,2.25) 4(-4.025,1.75) 5(-4.025,1.25) 6(-4.025,0.75) 7(-4.025,0.25) 8(-4.025,-0.25) 9(-4.025,-0.75) 10(-4.025,-1.25) 11(-4.025,-1.75) 12(-4.025,-2.25) 13(-4.025,-2.75) 14(-4.025,-3.25) 29(4.025,-3.25) 30(4.025,-2.75) 31(4.025,-2.25) 32(4.025,-1.75) 33(4.025,-1.25) 34(4.025,-0.75) 35(4.025,-0.25) 36(4.025,0.25) 37(4.025,0.75) 38(4.025,1.25) 39(4.025,1.75) 40(4.025,2.25) 41(4.025,2.75) 42(4.025,3.25)
  oval 0.25x0.65 smd mask+0.07: 15(-3.25,-4.025) 16(-2.75,-4.025) 17(-2.25,-4.025) 18(-1.75,-4.025) 19(-1.25,-4.025) 20(-0.75,-4.025) 21(-0.25,-4.025) 22(0.25,-4.025) 23(0.75,-4.025) 24(1.25,-4.025) 25(1.75,-4.025) 26(2.25,-4.025) 27(2.75,-4.025) 28(3.25,-4.025) 43(3.25,4.025) 44(2.75,4.025) 45(2.25,4.025) 46(1.75,4.025) 47(1.25,4.025) 48(0.75,4.025) 49(0.25,4.025) 50(-0.25,4.025) 51(-0.75,4.025) 52(-1.25,4.025) 53(-1.75,4.025) 54(-2.25,4.025) 55(-2.75,4.025) 56(-3.25,4.025)
  rect 4.2x4.2 smd paste-3: 57(0,0)
  silkscreen extent -5.03,-4.1 4.1,4.1, body extent -4.05,-4.05 4.05,4.05, height 0.9
HDR1X2H [mm] "Connector; Header; 2 Position; Right Angle"
  rect 1.5x1.5 hole 0.9: 1(0,0)
  round 1.5 hole 0.9: 2(2.54,0)
  silkscreen extent -1.27,-6.35 3.81,-1.27
HDR1X4H [mm] "Connector; Header; 4 Position; Right Angle"
  rect 1.5x1.5 hole 0.9: 1(0,0)
  round 1.5 hole 0.9: 2(2.54,0) 3(5.08,0) 4(7.62,0)
  silkscreen extent -1.27,-6.35 8.89,-1.27
HDR1X6 [mm] "Connector; Header; 6 Position"
  rect 1.5x1.5 hole 0.9: 1(0,0)
  round 1.5 hole 0.9: 2(2.54,0) 3(5.08,0) 4(7.62,0) 5(10.16,0) 6(12.7,0)
  silkscreen extent -1.27,-1.27 13.97,1.27
HDR1X8 [mm] "Connector; Header; 8 Position"
  rect 1.5x1.5 hole 0.9: 1(0,0)
  round 1.5 hole 0.9: 2(2.54,0) 3(5.08,0) 4(7.62,0) 5(10.16,0) 6(12.7,0) 7(15.24,0) 8(17.78,0)
  silkscreen extent -1.27,-1.27 19.05,1.27